# Altium PCB Board.PcbDoc (part 1 of 8) (continued)
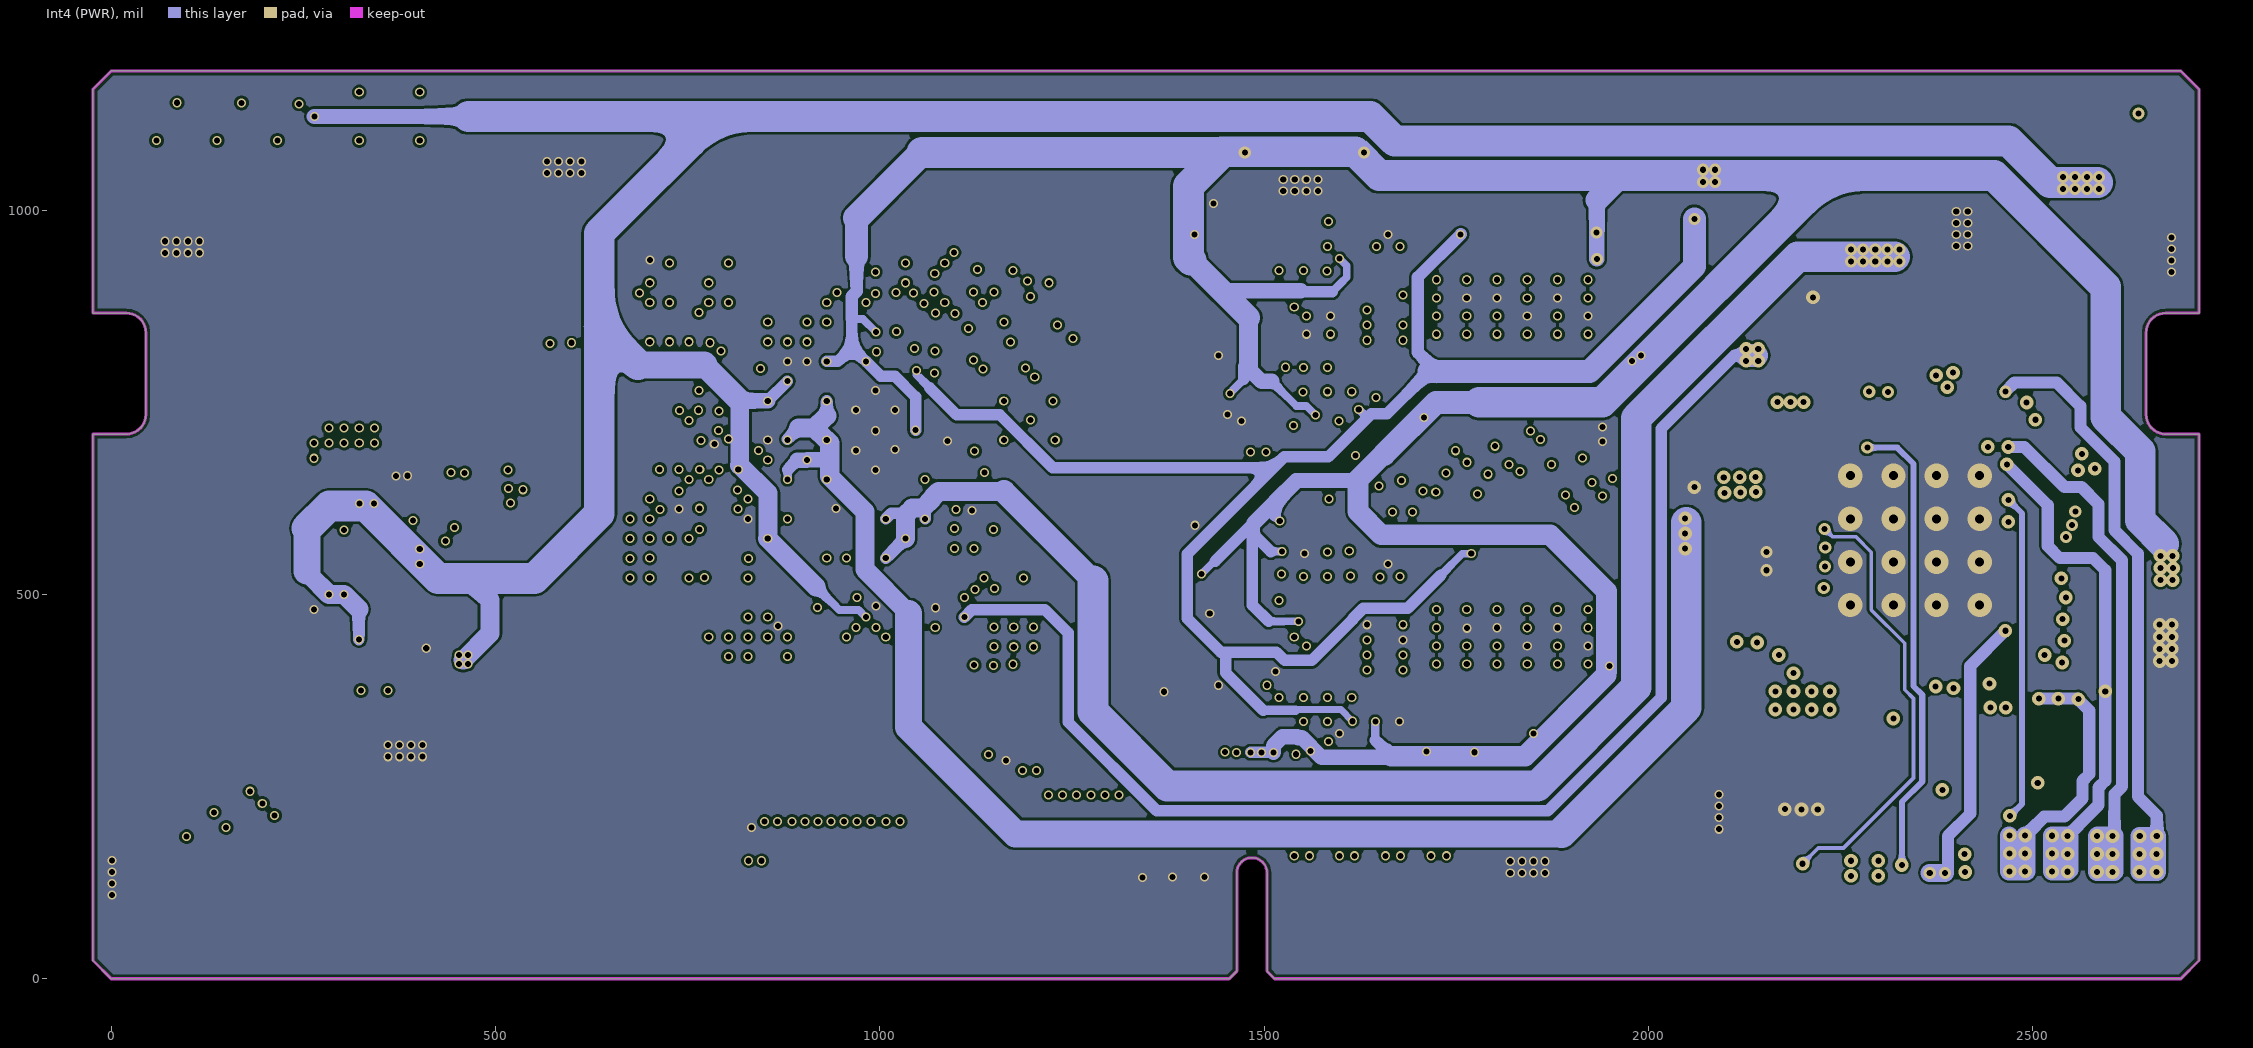
[diagram p5: Int4 (PWR)]
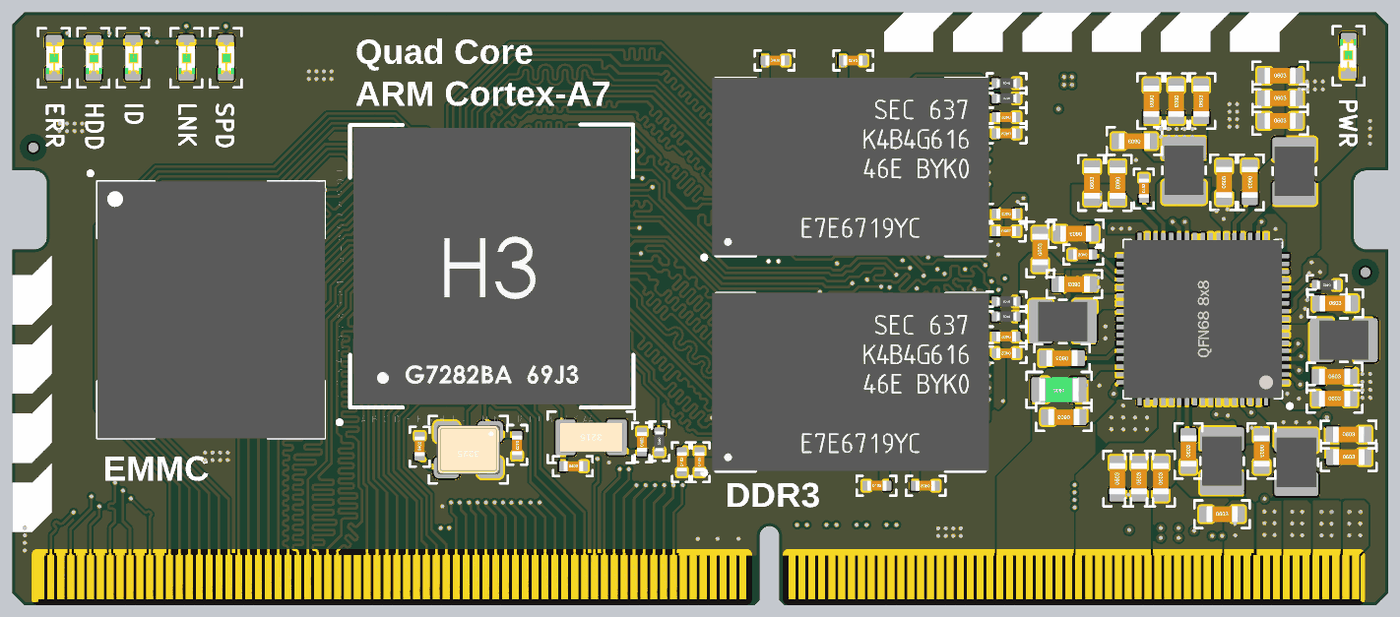
[diagram p13: 3D render of the assembled board from above, using the file's embedded part models]
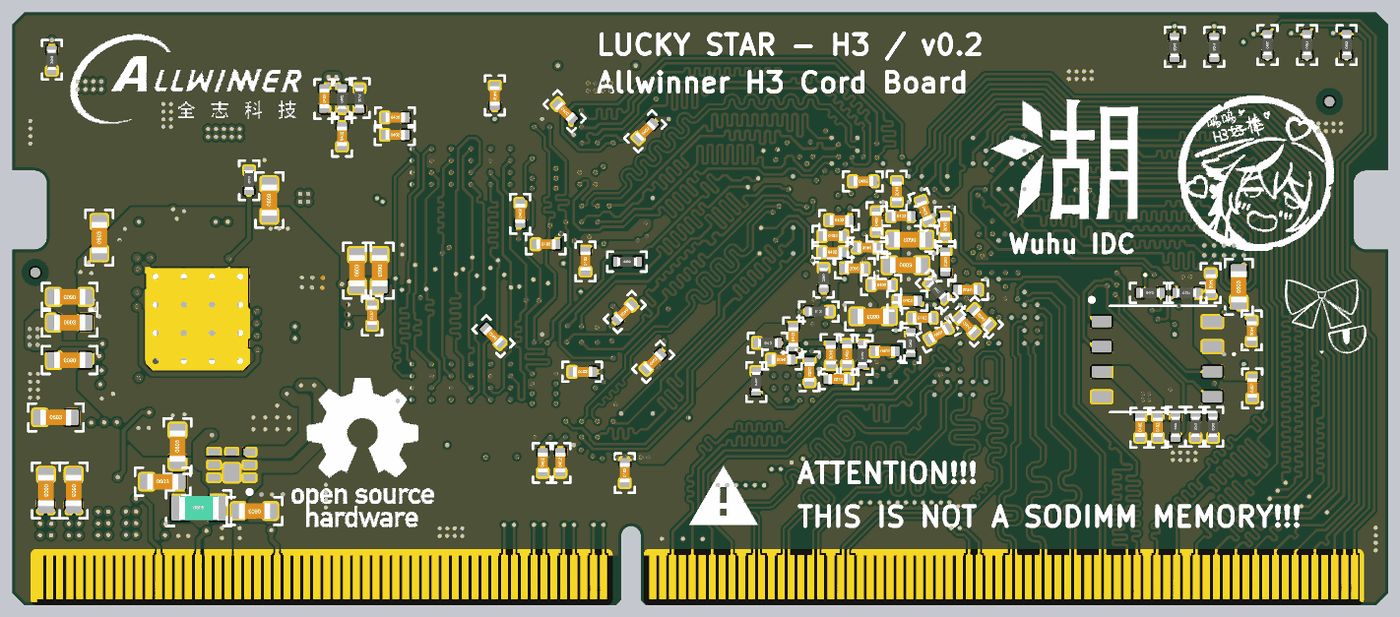
[diagram p14: 3D render of the assembled board from below, using the file's embedded part models]

## Layer stack, top to bottom
Top Solder: solder mask 1, SM-001, Dk 4
Top Layer: signal copper 1.378
Dielectric 1: prepreg 3.9134, PP-006, Dk 4.1
Int1 (GND): signal copper 0.5984
Dielectric 3: core 21.6535, Core-035, Dk 4.7
Int2 (Sign): signal copper 0.5984
Dielectric 4: prepreg 2.1417, PP-006, Dk 4.1
Dielectric 5: prepreg 2.1417, PP-006, Dk 4.1
Int3 (Sign): signal copper 0.5984
Dielectric 6: core 21.6535, Core-035, Dk 4.7
Int4 (PWR): signal copper 0.5984
Dielectric 8: prepreg 3.9134, PP-006, Dk 4.1
Bottom Layer: signal copper 1.378
Bottom Solder: solder mask 1, SM-001, Dk 4

## Board outline
0,0 -23.62,23.62 -23.62,708.66 19.69,708.66 ccw(c19.69,734.25) 45.28,734.25 45.28,840.55 ccw(c19.69,840.55) 19.69,866.14 -23.62,866.14 -23.62,1157.48 0,1181.1 2692.91,1181.1 2716.54,1157.48 2716.54,866.14 2673.23,866.14 ccw(c2673.23,840.55) 2647.64,840.55 2647.64,734.25 ccw(c2673.23,734.25) 2673.23,708.66 2716.54,708.66 2716.54,23.62 2692.91,0 1513.78,0 1503.94,9.84 1503.94,137.8 ccw(c1484.25,137.8) 1464.57,137.8 1464.57,9.84 1454.72,0

## Design rules (kind name [scope] priority, off if disabled: settings)
Clearance [All] p1: gap=3.5 ignorepadtopadclearanceinfootprint=TRUE
DiffPairsRouting "Schematic Differential Pairs Routing_9" [InDifferentialPairClass('HDMI_TX0')] p1: maxlimit=6 minlimit=6 mostfreqgap=6 toplayer_minwidth=4.29 toplayer_maxwidth=4.29 toplayer_prefwidth=4.29 midlayer1_minwidth=4.29 midlayer1_maxwidth=4.29 midlayer1_prefwidth=4.29 midlayer2_minwidth=4.29 midlayer2_maxwidth=4.29 midlayer2_prefwidth=4.29 midlayer3_minwidth=4.29 midlayer3_maxwidth=4.29 midlayer3_prefwidth=4.29 midlayer4_minwidth=4.29 midlayer4_maxwidth=4.29 midlayer4_prefwidth=4.29 bottomlayer_minwidth=4.29 bottomlayer_maxwidth=4.29 bottomlayer_prefwidth=4.29 maxuncoupledlength=500
DiffPairsRouting "Schematic Differential Pairs Routing_8" [InDifferentialPairClass('HDMI_TX1')] p2: maxlimit=6 minlimit=6 mostfreqgap=6 toplayer_minwidth=4.29 toplayer_maxwidth=4.29 toplayer_prefwidth=4.29 midlayer1_minwidth=4.29 midlayer1_maxwidth=4.29 midlayer1_prefwidth=4.29 midlayer2_minwidth=4.29 midlayer2_maxwidth=4.29 midlayer2_prefwidth=4.29 midlayer3_minwidth=4.29 midlayer3_maxwidth=4.29 midlayer3_prefwidth=4.29 midlayer4_minwidth=4.29 midlayer4_maxwidth=4.29 midlayer4_prefwidth=4.29 bottomlayer_minwidth=4.29 bottomlayer_maxwidth=4.29 bottomlayer_prefwidth=4.29 maxuncoupledlength=500
DiffPairsRouting "Schematic Differential Pairs Routing_7" [InDifferentialPairClass('HDMI_TXC')] p3: maxlimit=6 minlimit=6 mostfreqgap=6 toplayer_minwidth=4.29 toplayer_maxwidth=4.29 toplayer_prefwidth=4.29 midlayer1_minwidth=4.29 midlayer1_maxwidth=4.29 midlayer1_prefwidth=4.29 midlayer2_minwidth=4.29 midlayer2_maxwidth=4.29 midlayer2_prefwidth=4.29 midlayer3_minwidth=4.29 midlayer3_maxwidth=4.29 midlayer3_prefwidth=4.29 midlayer4_minwidth=4.29 midlayer4_maxwidth=4.29 midlayer4_prefwidth=4.29 bottomlayer_minwidth=4.29 bottomlayer_maxwidth=4.29 bottomlayer_prefwidth=4.29 maxuncoupledlength=500
DiffPairsRouting "Schematic Differential Pairs Routing_6" [InNetClass('USB')] p4: maxlimit=6 minlimit=6 mostfreqgap=6 toplayer_minwidth=4.29 toplayer_maxwidth=4.29 toplayer_prefwidth=4.29 midlayer1_minwidth=4.29 midlayer1_maxwidth=4.29 midlayer1_prefwidth=4.29 midlayer2_minwidth=4.29 midlayer2_maxwidth=4.29 midlayer2_prefwidth=4.29 midlayer3_minwidth=4.29 midlayer3_maxwidth=4.29 midlayer3_prefwidth=4.29 midlayer4_minwidth=4.29 midlayer4_maxwidth=4.29 midlayer4_prefwidth=4.29 bottomlayer_minwidth=4.29 bottomlayer_maxwidth=4.29 bottomlayer_prefwidth=4.29 maxuncoupledlength=500
DiffPairsRouting "Schematic Differential Pairs Routing_5" [InDifferentialPairClass('HDMI_TX2')] p5: maxlimit=6 minlimit=6 mostfreqgap=6 toplayer_minwidth=4.29 toplayer_maxwidth=4.29 toplayer_prefwidth=4.29 midlayer1_minwidth=4.29 midlayer1_maxwidth=4.29 midlayer1_prefwidth=4.29 midlayer2_minwidth=4.29 midlayer2_maxwidth=4.29 midlayer2_prefwidth=4.29 midlayer3_minwidth=4.29 midlayer3_maxwidth=4.29 midlayer3_prefwidth=4.29 midlayer4_minwidth=4.29 midlayer4_maxwidth=4.29 midlayer4_prefwidth=4.29 bottomlayer_minwidth=4.29 bottomlayer_maxwidth=4.29 bottomlayer_prefwidth=4.29 maxuncoupledlength=500
DiffPairsRouting "Schematic Differential Pairs Routing_4" [InNetClass('DDR3_DIFF_DQS0')] p6: maxlimit=6 minlimit=6 mostfreqgap=6 toplayer_minwidth=4.29 toplayer_maxwidth=4.29 toplayer_prefwidth=4.29 midlayer1_minwidth=4.29 midlayer1_maxwidth=4.29 midlayer1_prefwidth=4.29 midlayer2_minwidth=4.29 midlayer2_maxwidth=4.29 midlayer2_prefwidth=4.29 midlayer3_minwidth=4.29 midlayer3_maxwidth=4.29 midlayer3_prefwidth=4.29 midlayer4_minwidth=4.29 midlayer4_maxwidth=4.29 midlayer4_prefwidth=4.29 bottomlayer_minwidth=4.29 bottomlayer_maxwidth=4.29 bottomlayer_prefwidth=4.29 maxuncoupledlength=500
DiffPairsRouting "Schematic Differential Pairs Routing_3" [InNetClass('DDR3_DIFF_DQS3')] p7: maxlimit=6 minlimit=6 mostfreqgap=6 toplayer_minwidth=4.29 toplayer_maxwidth=4.29 toplayer_prefwidth=4.29 midlayer1_minwidth=4.29 midlayer1_maxwidth=4.29 midlayer1_prefwidth=4.29 midlayer2_minwidth=4.29 midlayer2_maxwidth=4.29 midlayer2_prefwidth=4.29 midlayer3_minwidth=4.29 midlayer3_maxwidth=4.29 midlayer3_prefwidth=4.29 midlayer4_minwidth=4.29 midlayer4_maxwidth=4.29 midlayer4_prefwidth=4.29 bottomlayer_minwidth=4.29 bottomlayer_maxwidth=4.29 bottomlayer_prefwidth=4.29 maxuncoupledlength=500
DiffPairsRouting "Schematic Differential Pairs Routing_2" [InNetClass('DDR3_DIFF_CK')] p8: maxlimit=6 minlimit=6 mostfreqgap=6 toplayer_minwidth=4.29 toplayer_maxwidth=4.29 toplayer_prefwidth=4.29 midlayer1_minwidth=4.29 midlayer1_maxwidth=4.29 midlayer1_prefwidth=4.29 midlayer2_minwidth=4.29 midlayer2_maxwidth=4.29 midlayer2_prefwidth=4.29 midlayer3_minwidth=4.29 midlayer3_maxwidth=4.29 midlayer3_prefwidth=4.29 midlayer4_minwidth=4.29 midlayer4_maxwidth=4.29 midlayer4_prefwidth=4.29 bottomlayer_minwidth=4.29 bottomlayer_maxwidth=4.29 bottomlayer_prefwidth=4.29 maxuncoupledlength=500
DiffPairsRouting "Schematic Differential Pairs Routing_1" [InNetClass('DDR3_DIFF_DQS2')] p9: maxlimit=6 minlimit=6 mostfreqgap=6 toplayer_minwidth=4.29 toplayer_maxwidth=4.29 toplayer_prefwidth=4.29 midlayer1_minwidth=4.29 midlayer1_maxwidth=4.29 midlayer1_prefwidth=4.29 midlayer2_minwidth=4.29 midlayer2_maxwidth=4.29 midlayer2_prefwidth=4.29 midlayer3_minwidth=4.29 midlayer3_maxwidth=4.29 midlayer3_prefwidth=4.29 midlayer4_minwidth=4.29 midlayer4_maxwidth=4.29 midlayer4_prefwidth=4.29 bottomlayer_minwidth=4.29 bottomlayer_maxwidth=4.29 bottomlayer_prefwidth=4.29 maxuncoupledlength=500
DiffPairsRouting "Schematic Differential Pairs Routing" [InNetClass('DDR3_DIFF_DQS1')] p10: maxlimit=6 minlimit=6 mostfreqgap=6 toplayer_minwidth=4.29 toplayer_maxwidth=4.29 toplayer_prefwidth=4.29 midlayer1_minwidth=4.29 midlayer1_maxwidth=4.29 midlayer1_prefwidth=4.29 midlayer2_minwidth=4.29 midlayer2_maxwidth=4.29 midlayer2_prefwidth=4.29 midlayer3_minwidth=4.29 midlayer3_maxwidth=4.29 midlayer3_prefwidth=4.29 midlayer4_minwidth=4.29 midlayer4_maxwidth=4.29 midlayer4_prefwidth=4.29 bottomlayer_minwidth=4.29 bottomlayer_maxwidth=4.29 bottomlayer_prefwidth=4.29 maxuncoupledlength=500
DiffPairsRouting [All] p11: maxlimit=10 minlimit=10 mostfreqgap=10 toplayer_minwidth=15 toplayer_maxwidth=15 toplayer_prefwidth=15 midlayer1_minwidth=15 midlayer1_maxwidth=15 midlayer1_prefwidth=15 midlayer2_minwidth=15 midlayer2_maxwidth=15 midlayer2_prefwidth=15 midlayer3_minwidth=15 midlayer3_maxwidth=15 midlayer3_prefwidth=15 midlayer4_minwidth=15 midlayer4_maxwidth=15 midlayer4_prefwidth=15 bottomlayer_minwidth=15 bottomlayer_maxwidth=15 bottomlayer_prefwidth=15 maxuncoupledlength=500
HoleSize [All] p1: absolutevalues=TRUE maxlimit=248.03 minlimit=7.87 maxpercent=80.000 minpercent=20.000
HoleToHoleClearance [All] p1: gap=3.94 allowstackedmicrovias=TRUE
MatchedLengths DDR3_CK [InxSignalClass('DDR3_CK')] p1: tolerance=1300 checknetsindiffpair=FALSE checkdiffpairvsdiffpair=TRUE checkxsignals=TRUE checkothers=TRUE
MinimumSolderMaskSliver [All] p1: minsoldermaskwidth=3.94
PolygonConnect [All] p1: connectstyle=Direct reliefconductorwidth=10 reliefentries=4 polygonreliefangle="90 Angle" airgapwidth=10
RoutingVias [All] p1: holewidth=7.87 width=11.81 viastyle="Through Hole" minholewidth=7.87 minwidth=11.81 maxholewidth=78.74 maxwidth=78.74
SilkToSilkClearance [All] p1: silktosilkclearance=3.94
SilkToSolderMaskClearance [IsPad] p1: minsilkscreentomaskgap=3.94 clearancetoexposedcopper=TRUE
SolderMaskExpansion [All] p1: expansion=4 istentingtop=FALSE
Width "Schematic Width Constraint_13" [InNet('HDMI_CEC')] p1: maxlimit=5 minlimit=4 preferedwidth=5
Width "Schematic Width Constraint_12" [InNet('HDMI_SDA')] p2: maxlimit=5 minlimit=4 preferedwidth=5
Width "Schematic Width Constraint_11" [InNet('HDMI_HPD')] p3: maxlimit=5 minlimit=4 preferedwidth=5
Width "Schematic Width Constraint_10" [InNetClass('DDR3_ODT')] p4: maxlimit=5 minlimit=4 preferedwidth=5
Width "Schematic Width Constraint_5" [InNetClass('DDR3_CS')] p5: maxlimit=5 minlimit=4 preferedwidth=5
Width "Schematic Width Constraint" [InNetClass('DDR3_BA')] p6: maxlimit=5 minlimit=4 preferedwidth=5
Width "Schematic Width Constraint_6" [InNet('HDMI_SCL')] p7: maxlimit=5 minlimit=4 preferedwidth=5
Width "Schematic Width Constraint_9" [InNetClass('RGMII')] p8: maxlimit=5 minlimit=4 preferedwidth=5
Width "Schematic Width Constraint_8" [InNetClass('DDR3_ADDR')] p9: maxlimit=5 minlimit=4 preferedwidth=5
Width "Schematic Width Constraint_7" [InNetClass('FLASH')] p10: maxlimit=5 minlimit=4 preferedwidth=5
Width "Schematic Width Constraint_4" [InNetClass('DDR3_DATA')] p11: maxlimit=5 minlimit=4 preferedwidth=5
Width "Schematic Width Constraint_3" [InNetClass('EMMC_DATA')] p12: maxlimit=5 minlimit=4 preferedwidth=5
Width "Schematic Width Constraint_2" [InNetClass('EMMC_CTL')] p13: maxlimit=5 minlimit=5 preferedwidth=5
Width "Schematic Width Constraint_1" [InNetClass('DDR3_DQM')] p14: maxlimit=5 minlimit=4 preferedwidth=5
Width [All] p15: maxlimit=200 minlimit=4 preferedwidth=10
24 further rules are at their usual default settings.

## Classes and differential pairs
net class CSI: CSI_D0 CSI_D1 CSI_D2 CSI_D3 CSI_D4 CSI_D5 CSI_D6 CSI_D7 CSI_HSYNC CSI_MCLK CSI_PCLK CSI_SCK CSI_SDA CSI_VSYNC
net class STATLED: LED_DISK LED_ERR LED_ID LED_LINK LED_SPD
net class USB: USB0_N USB0_P USB1_N USB1_P USB2_N USB2_P USB3_N USB3_P
differential pair class HDMI_TXC: HDMI_TXC
differential pair class HDMI_TX2: HDMI_TX2
differential pair class HDMI_TX1: HDMI_TX1
differential pair class HDMI_TX0: HDMI_TX0
net class GPIO: CSI_D0 CSI_D1 CSI_D2 CSI_D3 CSI_D4 CSI_D5 CSI_D6 CSI_D7 CSI_HSYNC CSI_MCLK CSI_PCLK CSI_SCK CSI_SDA CSI_VSYNC I2C0_SCL I2C0_SDA I2S0_CLK I2S0_DIN I2S0_DOUT I2S0_SYNC JTAG_CK JTAG_DI JTAG_DO JTAG_MS LINEIN_L LINEIN_R LINEOUT_L LINEOUT_R MICIN1_N MICIN1_P MICIN2_N MICIN2_P PA4 PA17 PE14 PE15 PF6 PG11 PG12 PG13 SDC1_CLK SDC1_CMD SDC1_D0 SDC1_D1 SDC1_D2 SDC1_D3 SIM_DATA SIM_PWREN SIM_RST SPI1_CLK SPI1_CS SPI1_MISO SPI1_MOSI TVOUT UART0_RX UART0_TX UART1_RX UART1_TX UART2_RTS UART2_RX UART2_TX UBOOT
net class DDR3: SA0 SA1 SA2 SA3 SA4 SA5 SA6 SA7 SA8 SA9 SA10 SA11 SA12 SA13 SA14 SA15 SBA0 SBA1 SBA2 SCAS SCK_N SCK_P SCKE0 SCKE1 SCS0 SCS1 SDQ0 SDQ1 SDQ2 SDQ3 SDQ4 SDQ5 SDQ6 SDQ7 SDQ8 SDQ9 SDQ10 SDQ11 SDQ12 SDQ13 SDQ14 SDQ15 SDQ16 SDQ17 SDQ18 SDQ19 SDQ20 SDQ21 SDQ22 SDQ23 SDQ24 SDQ25 SDQ26 SDQ27 SDQ28 SDQ29 SDQ30 SDQ31 SDQM0 SDQM1 SDQM2 SDQM3 SDQS0_N SDQS0_P SDQS1_N SDQS1_P SDQS2_N SDQS2_P SDQS3_N SDQS3_P SODT0 SODT1 SRAS SRST SWE
net class DDR3_DQS3: SDQ24 SDQ25 SDQ26 SDQ27 SDQ28 SDQ29 SDQ30 SDQ31 SDQM3 SDQS3_N SDQS3_P
net class DDR3_DQS2: SDQ16 SDQ17 SDQ18 SDQ19 SDQ20 SDQ21 SDQ22 SDQ23 SDQM2 SDQS2_N SDQS2_P
net class DDR3_DQS1: SDQ8 SDQ9 SDQ10 SDQ11 SDQ12 SDQ13 SDQ14 SDQ15 SDQM1 SDQS1_N SDQS1_P
net class DDR3_DQS0: SDQ0 SDQ1 SDQ2 SDQ3 SDQ4 SDQ5 SDQ6 SDQ7 SDQM0 SDQS0_N SDQS0_P
net class DDR3_DIFF_CK: SCK_N SCK_P
net class DDR3_DIFF_DQS3: SDQS3_N SDQS3_P
net class DDR3_DIFF_DQS2: SDQS2_N SDQS2_P
net class DDR3_DIFF_DQS1: SDQS1_N SDQS1_P
net class DDR3_DIFF_DQS0: SDQS0_N SDQS0_P
net class EMMC_CTL: EMMC_CMD EMMC_RST NetR19_1 NetR19_2
net class FLASH: FLASH_CLK FLASH_CS FLASH_MISO FLASH_MOSI
net class EMMC_DATA: EMMC_D0 EMMC_D1 EMMC_D2 EMMC_D3 EMMC_D4 EMMC_D5 EMMC_D6 EMMC_D7
net class RGMII: RGMII_CLKIN RGMII_MDC RGMII_MDIO RGMII_RX0 RGMII_RX1 RGMII_RX2 RGMII_RX3 RGMII_RXCK RGMII_RXCTL RGMII_TXCK RGMII_TXCTL RGMII_TXD0 RGMII_TXD1 RGMII_TXD2 RGMII_TXD3
differential pair class USB3: USB3
differential pair class USB2: USB2
differential pair class USB1: USB1
differential pair class USB0: USB0
net class HDMI: HDMI_CEC HDMI_HPD HDMI_SCL HDMI_SDA HDMI_TX0_N HDMI_TX0_P HDMI_TX1_N HDMI_TX1_P HDMI_TX2_N HDMI_TX2_P HDMI_TXC_N HDMI_TXC_P
differential pair class DDR3_CK: SCK
net class DDR3_XXX: SCAS SRAS SRST SWE
net class DDR3_ODT: SODT0 SODT1
net class DDR3_CS: SCS0 SCS1
net class DDR3_CKE: SCKE0 SCKE1
differential pair class DDR3_DIFF_DQS3: SDQS3
differential pair class DDR3_DIFF_DQS2: SDQS2
differential pair class DDR3_DIFF_DQS1: SDQS1
differential pair class DDR3_DIFF_DQS0: SDQS0
net class DDR3_DQM: SDQM0 SDQM1 SDQM2 SDQM3
net class DDR3_BA: SBA0 SBA1 SBA2
net class DDR3_DATA: SDQ0 SDQ1 SDQ2 SDQ3 SDQ4 SDQ5 SDQ6 SDQ7 SDQ8 SDQ9 SDQ10 SDQ11 SDQ12 SDQ13 SDQ14 SDQ15 SDQ16 SDQ17 SDQ18 SDQ19 SDQ20 SDQ21 SDQ22 SDQ23 SDQ24 SDQ25 SDQ26 SDQ27 SDQ28 SDQ29 SDQ30 SDQ31
net class DDR3_ADDR: SA0 SA1 SA2 SA3 SA4 SA5 SA6 SA7 SA8 SA9 SA10 SA11 SA12 SA13 SA14 SA15
component class 05_H3ETHERNET: C108 C109
component class 06_H3HDMI: C110 C111
component class 04_H3STORAGE: C66 C67 C68 C69 C70 C71 R18 R19 R20 R21 R22 U3 U4
component class 00_PINOUT: J1 MP1 MP2 MP3 MP4
component class 02_H3CORE: C53 C54 C55 C56 C57 C58 C59 C60 C61 C62 C63 C64 C65 R15 R16 R17 X1 X2
component class 01_POWER: C1 C2 C3 C4 C5 C6 C7 C8 C9 C10 C11 C12 C13 C14 C15 C16 C17 C18 C19 C20 C21 C22 C23 C24 C25 C26 C27 C28 C29 C30 C31 C32 C33 C34 C35 C36 C37 C38 C39 C40 C41 C42 C43 C44 C45 C46 C47 C48 C49 C50 C51 C52 L1 L2 L3 L4 L5 L6 LED1 LED2 LED3 LED4 LED5 LED6 Q1 R1 R2 R3 R4 R5 R6 R7 R8 R9 R10 R11 R12 R13 R14 U1
component class 03_H3DRAM: C72 C73 C74 C75 C76 C77 C78 C79 C80 C81 C82 C83 C84 C85 C86 C87 C88 C89 C90 C91 C92 C93 C94 C95 C96 C97 C98 C99 C100 C101 C102 C103 C104 C105 C106 C107 DC? DR? DU1 DU2 R23 R24 R25 R26 R27 R28 R29 R30 U2
differential pair HDMI_TXC: +HDMI_TXC_P -HDMI_TXC_N
differential pair HDMI_TX2: +HDMI_TX2_P -HDMI_TX2_N
differential pair HDMI_TX1: +HDMI_TX1_P -HDMI_TX1_N
differential pair HDMI_TX0: +HDMI_TX0_P -HDMI_TX0_N
differential pair USB3: +USB3_P -USB3_N
differential pair USB2: +USB2_P -USB2_N
differential pair USB1: +USB1_P -USB1_N
differential pair USB0: +USB0_P -USB0_N
differential pair SDQS3: +SDQS3_P -SDQS3_N
differential pair SDQS2: +SDQS2_P -SDQS2_N
differential pair SDQS1: +SDQS1_P -SDQS1_N
differential pair SDQS0: +SDQS0_P -SDQS0_N
differential pair SCK: +SCK_P -SCK_N

## Components (designator, comment, footprint, x,y, rotation, side; value= is the part's Value field where it differs from the comment)
C1 "1uF" C0603 2098.43,492.13 r180 top
C2 "1uF" C0603 2125.99,740.16 r180 top
C3 "1uF" C0603 2102.11,374.78 r180 top
C4 "10uF" C0603 2202.61,187.49 r0 bottom
C5 "1uF" C0603 2318.9,275.59 r90 top
C6 "4.7uF" C0402 2128.91,698.6 r180 top
C7 "10uF" C0603 2448.52,245.9 r180 bottom
C8 "4.7uF" C0402 2230,810 r90 top
C9 "10uF" C0603 2387.59,285.14 r90 bottom
C10 "10uF" C0603 897.64,728.35 r0 bottom
C11 "10uF" C0603 2633.86,562.99 r180 bottom
C12 "1nF" C0603 2242.7,924.58 r180 top
C13 "10uF" C0603 2440.94,874.02 r270 top
C14 "1nF" C0603 2470,965 r0 top
C15 "10uF" C0603 2344.27,972.64 r90 top
C16 "1nF" C0603 2578.4,455.17 r0 top
C17 "10uF" C0603 2543.3,700.78 r90 bottom
C18 "10uF" C0603 2389.77,811.02 r90 top
C19 "10uF" C0603 2579.72,601.37 r0 top
C20 "4.7uF" C0603 2570.86,488.19 r0 bottom
C21 "22uF" C0603 2177.17,220.47 r90 top
C22 "22uF" C0603 2220.48,220.47 r90 top
C23 "10uF" C0603 2263.78,220.47 r90 top
C24 "10uF" C0603 2470,1055 r0 top
C25 "1uF" C0402 858.82,774.19 r270 bottom
C26 "0.1uF" C0603 2470,1010 r0 top
C27 "10uF" C0603 2023.63,677.16 r90 top
C28 "10uF" C0603 2126.84,809.73 r90 top
C29 "0.1uF" C0603 2177.65,872.59 r270 top
C30 "1nF" C0603 2030,635 r90 bottom
C31 "10uF" C0603 2122.96,639.55 r180 top
C32 "10uF" C0603 2204.72,775.59 r90 bottom
C33 "10uF" C0603 2578.4,411.4 r0 top
C34 "10uF" C0603 970.58,575.3 r0 bottom
C35 "1uF" C0603 2244.94,1035.63 r270 top
C36 "1uF" C0603 2294.48,1035.63 r270 top
C37 "0.1uF" C0402 953.77,606.29 r180 bottom
C38 "0.1uF" C0402 1018.84,671.05 r0 bottom
C39 "10uF" C0603 969.08,677.16 r180 bottom
C40 "1uF" C0402 966.34,775 r180 bottom
C41 "1uF" C0603 1985,698 r270 bottom
C42 "0.1uF" C0402 2000,557.09 r90 bottom
C43 "0.1uF" C0402 1005.91,637.8 r180 bottom
C44 "10uF" C0603 2606.23,339.88 r0 top
C45 "1nF" C0603 2606.82,294.94 r0 top
C46 "10uF" C0603 2570.86,614.18 r0 bottom
C47 "10uF" C0603 2464.56,338.59 r270 top
C48 "4.7uF" C0603 2354.33,181.1 r0 top
C49 "4.7uF" C0603 2661.42,374.01 r180 bottom
C50 "4.7uF" C0603 2594.49,259.85 r270 bottom
C51 "4.7uF" C0603 2649.61,259.85 r270 bottom
C52 "0.1uF" C0402 1053.86,479.03 r90 bottom
C53 "4.7uF" C0402 858.27,704.72 r270 bottom
C54 "4.7uF" C0402 998.88,505.8 r180 bottom
C55 "5pF" C0402 787.64,295.86 r90 top
C56 "5pF" C0402 981.71,339 r270 top
C57 "15pF" C0402 1073.11,276.79 r0 top
C58 "15pF" C0402 1230.43,304.42 r90 top
C59 "1uF" C0402 793.19,628.42 r0 bottom
C60 "0.1uF" C0402 1051.27,450.41 r0 bottom
C61 "10uF" C0402 1128.88,485.55 r270 bottom
C62 "0.1uF" C0402 1164.28,489.48 r0 bottom
C63 "1uF" C0402 1161.17,513.54 r90 bottom
C64 "4.7uF" C0402 1086.54,519.57 r270 bottom
C65 "0.1uF" C0402 889.66,530.33 r150 bottom
C66 "1uF" C0402 470,333.66 r90 bottom
C67 "0.1uF" C0402 247.01,412.21 r90 bottom
C68 "0.1uF" C0402 435,333.66 r90 bottom
C69 "0.1uF" C0402 248.03,566.93 r270 bottom
C70 "0.1uF" C0402 329.79,661.15 r270 bottom
C71 "0.1uF" C0603 273.95,602.58 r90 bottom
C72 "0.1uF" C0402 2095,988.66 r90 bottom
C73 "0.1uF" C0402 1089.89,766.95 r180 bottom
C74 "0.1uF" C0402 1744.49,521.79 r45 bottom
C75 "0.1uF" C0402 1755.66,1035.44 r270 bottom
C76 "0.1uF" C0402 1674.12,719.03 r180 bottom
C77 "0.1uF" C0402 1625,263.66 r90 bottom
C78 "10uF" C0402 1974.66,936.84 r180 bottom
C79 "1uF" C0402 1974.29,971.6 r180 bottom
C80 "1uF" C0402 1474.89,1085.27 r0 top
C81 "0.1uF" C0402 1671.23,1085.27 r180 top
C82 "0.1uF" C0402 1976.34,972.29 r180 top
C83 "0.1uF" C0402 1976.34,780 r180 top
C84 "0.1uF" C0402 1976.34,940 r180 top
C85 "0.1uF" C0402 1470,930 r135 bottom
C86 "0.1uF" C0402 1630.56,997.91 r225 bottom
C87 "0.1uF" C0402 1482.88,598.23 r315 bottom
C88 "0.1uF" C0402 1454.23,470.77 r135 bottom
C89 "0.1uF" C0402 1575,665 r90 bottom
C90 "10uF" C0402 995,743.66 r90 bottom
C91 "1uF" C0402 1660,263.66 r90 bottom
C92 "1uF" C0402 1705,760 r90 bottom
C93 "0.1uF" C0402 1103.65,703.24 r180 bottom
C94 "0.1uF" C0402 1042.34,844.48 r180 bottom
C95 "0.1uF" C0402 955,845 r270 bottom
C96 "0.1uF" C0402 993.72,712.45 r0 bottom
C97 "10uF" C0402 1976.34,535 r180 top
C98 "1uF" C0402 1976.34,502.22 r180 top
C99 "1uF" C0402 1935,745 r0 top
C100 "0.1uF" C0402 1496.66,243.31 r90 bottom
C101 "0.1uF" C0402 1103.05,735.69 r180 bottom
C102 "0.1uF" C0402 1345,265 r90 top
C103 "0.1uF" C0402 1310,265 r90 top
C104 "0.1uF" C0402 1677.69,237.88 r0 top
C105 "0.1uF" C0402 1815.36,237.88 r180 top
C106 "0.1uF" C0402 1601.34,465 r180 bottom
C107 "0.1uF" C0402 2060,913.66 r90 bottom
C108 "0.1uF" C0402 906.32,805.22 r250 bottom
C109 "0.1uF" C0402 771.7,559.14 r45 bottom
C110 "0.1uF" C0402 924.95,572.2 r180 bottom
C111 "1uF" C0402 800.95,543.04 r45 bottom
DU1 "DDR3_FBGA96" DDR3_FBGA96 1409.45,748.03 r90 top locked
DU2 "DDR3_FBGA96" DDR3_FBGA96 1409.45,318.9 r90 top locked
J1 "DDR4_SODIMM" DDR4_SODIMM 14.8,0 r0 top locked
L1 "1.5uH" L2520 2385.83,243.31 r90 top
L2 "2.2uH" L2520 2529.73,908.37 r270 top
L3 "2.2uH" L2520 2310,910 r270 top
L4 "2.2uH" L2520 2671.95,528.1 r180 top
L5 "2.2uH" L2520 2025,565 r0 top